# KiCad board AnalogFNN.kicad_pcb (continued)
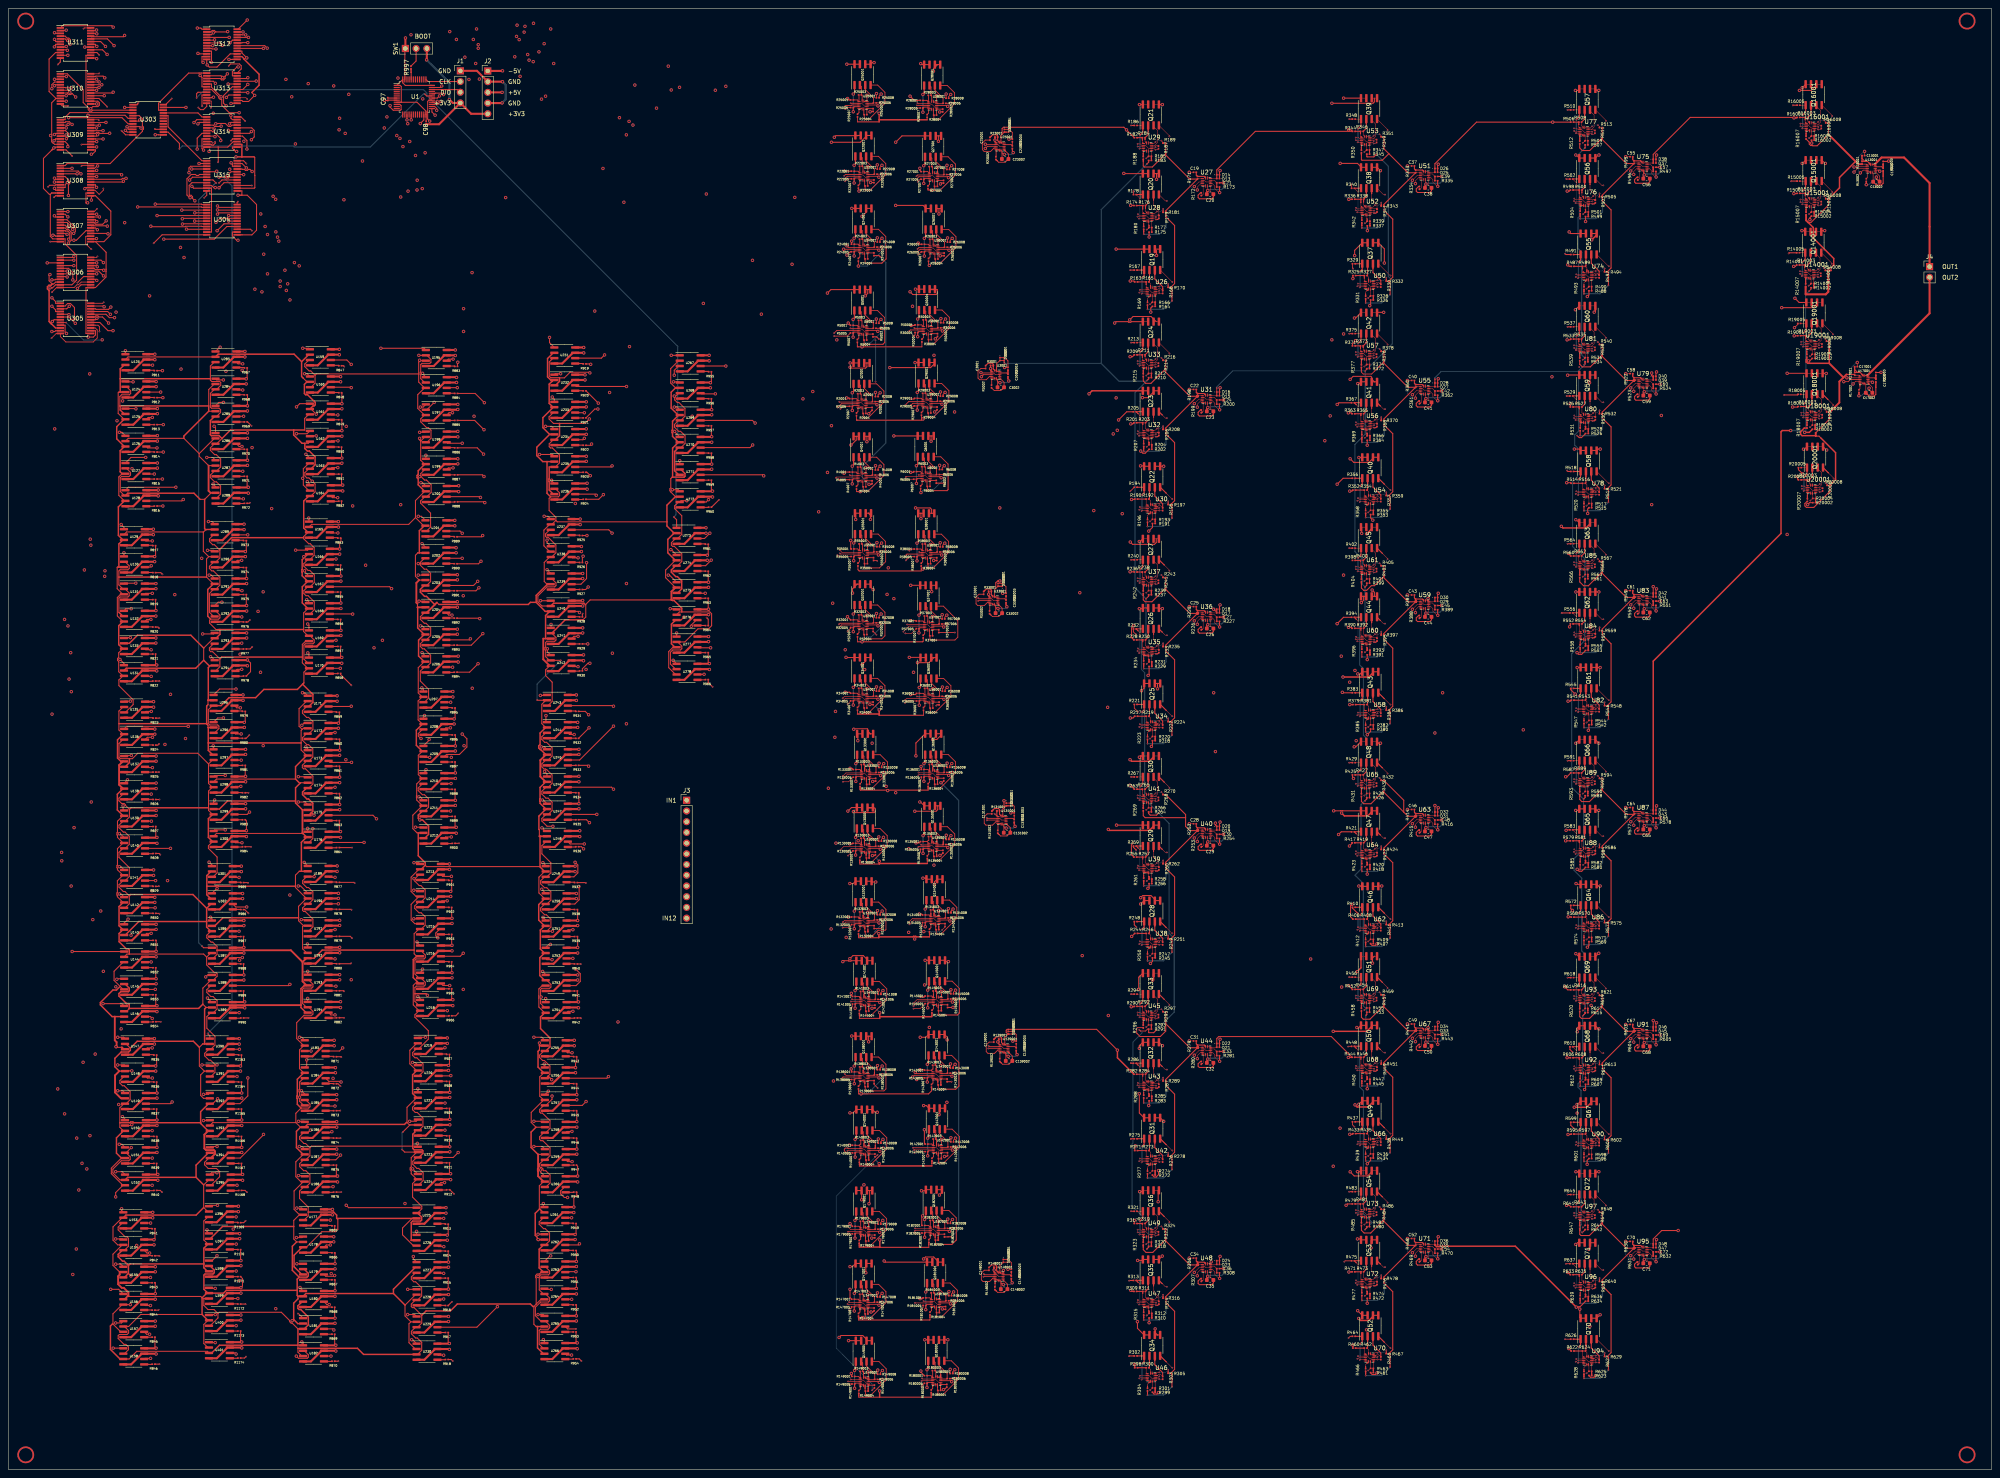
[diagram p0: board, top side]
## Routing (per net, layer and track width the routed paths; a pad name or vN(x,y) marks a point on that pad's centre or on a via; arc(x,y) is an arc through that point) (continued)
  Top w0.5: v1(79.03,239.87) 79.02,239.87 U163.8 ; U234.8 136.91,246.75 v1(136.95,246.8) ; U145.8 34.99,116.41 v1(35,116.4) ; U186.8 77.75,82.45 v1(77.8,82.5) ; v1(56.65,192) 56.61,191.96 U294.8 ; v1(105.62,178) 105.57,178.06 U208.8 ; U209.8 105.92,171.61 v1(105.92,171.6) ; v1(56.35,258.65) 56.3,258.7 U284.8 ; v1(103.7,62.1) 103.69,62.11 U225.8 ; v1(78.5,157.7) 78.5,157.71 U175.8 ; U133.8 34.95,197.21 v1(34.95,197.2) ; v1(136.1,212.5) 136.09,212.5 U239.8 ; v1(34.4,182.1) 34.4,182.1 U135.8 ; U132.8 34.91,203.66 v1(34.95,203.7) ; U190.8 78.14,136.71 v1(78.2,136.65) ; v1(106.6,192.9) 106.56,192.85 103.78,192.85 ; v1(56.45,211.3) 56.44,211.31 U291.8 ; 75.17,95.36 77.44,95.36 v1(77.5,95.3) ; U395.8 55.45,69.95 v1(55.5,70) ; v1(134,62.25) 134,62.25 U261.8 ; U252.8 134.85,123.75 v1(134.9,123.8) ; U197.8 106.5,252.61 v1(106.5,252.6) ; v1(34.7,135.7) 34.65,135.75 U142.8 ; 103.78,225.1 105.8,225.1 v1(105.8,225.1) ; v1(106.1,218.6) 106.05,218.66 103.78,218.66 ; v1(134.4,95.3) 134.34,95.36 132.07,95.36 ; v1(134.9,130.2) 134.9,130.21 U251.8 ; v1(166.68,251.33) 166.67,251.34 U269.8 ; v1(77.4,42.4) 77.36,42.36 74.78,42.36 ; U391.8 54.94,95.75 v1(55,95.7) ; v1(135.2,170.8) 135.19,170.81 U245.8 ; v1(55.6,183.7) 55.59,183.71 U295.8 ; U169.8 78.8,199 v1(78.8,199) ; 32.17,54.56 34.45,54.56 v1(34.5,54.5) ; v1(35,162.8) 34.95,162.75 U138.8 ; U217.8 105.12,117.82 v1(105.12,117.81) ; v1(134.3,55.75) 134.25,55.81 U262.8 ; v1(166.88,232.03) 166.83,231.99 U272.8 ; v1(106.5,239.7) 106.5,239.7 U199.8 ; U185.8 77.8,88.9 v1(77.8,88.9) ; v1(78.5,123.85) 78.45,123.81 U192.8 ; U128.8 35.45,232.25 v1(35.5,232.3) ; U139.8 34.99,156.31 v1(35,156.3) ; v1(106.2,259) 106.14,259.06 U196.8 ; U143.8 34.99,129.31 v1(35,129.3) ; U207.8 105.32,184.51 v1(105.33,184.5) ; U157.8 34.8,35.2 v1(34.8,35.2) ; U231.8 136.34,266.11 v1(136.35,266.1) ; U232.8 136.59,259.65 v1(136.65,259.6) ; v1(135.1,110.9) 135.06,110.85 U254.8 ; v1(35,169.2) 34.99,169.21 U137.8 ; U162.8 78.98,246.32 v1(79.03,246.37) ; U195.8 105.89,265.5 v1(105.9,265.5) ; v1(55.8,117.3) 55.8,117.31 U388.8 ; U247.8 135.19,157.91 v1(135.2,157.9) ; 74.78,61.7 76.8,61.7 v1(76.8,61.7) ; v1(56.15,217.7) 56.09,217.75 U290.8 ; U191.8 78.5,130.25 v1(78.5,130.25) ; U390.8 54.69,102.2 v1(54.7,102.2) ; v1(165.93,204.03) 165.88,203.99 U276.8 ; U283.8 56.05,265.15 v1(56.05,265.15) ; v1(106.12,152.31) 106.08,152.26 U212.8 ; v1(134.9,177.2) 134.84,177.25 U244.8 ; U228.8 104.25,42.75 v1(104.3,42.8) ; U257.8 134.69,88.9 v1(134.7,88.9) ; U268.8 166.32,257.79 v1(166.38,257.74) ; v1(166.07,264.24) 166.07,264.24 U267.8 ; U275.8 165.92,210.44 v1(165.93,210.44) ; U146.8 35.16,109.96 v1(35.2,110) ; v1(104.83,137.12) 104.77,137.17 U214.8 ; v1(55.8,123.8) 55.75,123.75 U387.8 ; U240.8 136.06,206.06 v1(136.1,206.1) ; U127.8 35.3,238.7 v1(35.3,238.7) ; v1(104.5,29.9) 104.45,29.86 101.67,29.86 ; U213.8 104.52,143.62 v1(104.53,143.62) ; v1(78.8,205.5) 78.75,205.46 U168.8 ; U224.8 104.75,70.11 v1(104.8,70.15) ; 131.97,49.36 134.59,49.36 v1(134.6,49.35) ; v1(35.15,190.8) 35.1,190.75 U134.8 ; v1(34.35,223) 34.34,223 U129.8 ; v1(105.12,130.72) 105.12,130.72 U215.8 ; U166.8 78.44,218.35 v1(78.5,218.3) ; U151.8 35.2,76.4 v1(35.2,76.4) ; v1(105.33,111.41) 105.28,111.37 U218.8 ; U125.8 35.3,251.61 v1(35.3,251.6) ; U152.8 35.35,69.95 v1(35.4,70) ; v1(165.93,197.53) 165.92,197.54 U277.8 ; U148.8 34.84,95.75 v1(34.9,95.7) ; U400.8 55.09,36.65 v1(55.1,36.65) ; v1(104.6,89.45) 104.59,89.45 U221.8 ; U397.8 54.75,56 v1(54.8,55.95) ; v1(135.5,225.4) 135.5,225.41 U237.8 ; U140.8 35.16,149.85 v1(35.2,149.9) ; v1(55.3,82.9) 55.25,82.86 52.67,82.86 ; v1(79,192.6) 78.95,192.56 U170.8 ; v1(78.7,151.3) 78.66,151.25 U176.8 ; v1(136.95,253.2) 136.94,253.2 U233.8 ; U144.8 34.95,122.85 v1(35,122.9) ; v1(78.72,259.17) 78.67,259.22 U160.8 ; 132.07,69.56 134.85,69.56 v1(134.9,69.6) ; v1(77.4,48.8) 77.39,48.81 74.78,48.81 ; v1(79.22,233.47) 79.18,233.42 U164.8 ; v1(105.12,124.31) 105.08,124.27 U216.8 ; v1(78.5,117.35) 78.5,117.35 U193.8 ; U296.8 55.84,177.25 v1(55.9,177.2) ; v1(34.6,102.2) 34.59,102.2 U147.8 ; U124.8 34.95,258.06 v1(35,258) ; v1(55.3,30.25) 55.25,30.2 U401.8 ; v1(77.2,101.8) 77.19,101.81 U183.8 ; v1(134.9,117.3) 134.9,117.31 U253.8 ; v1(134.8,30.05) 134.75,30 U266.8 ; U173.8 78.5,170.6 v1(78.5,170.6) ; v1(78.2,177) 78.14,177.06 U172.8 ; 74.78,29.45 77.56,29.45 v1(77.6,29.5) ; v1(106.5,246.2) 106.45,246.16 U198.8 ; U136.8 34.65,175.66 v1(34.7,175.6) ; v1(77.4,35.9) 77.39,35.9 74.78,35.9 ; U264.8 134.56,42.9 v1(134.6,42.95) ; U289.8 55.84,224.21 v1(55.85,224.2) ; v1(106.7,233.3) 106.66,233.25 U200.8 ; U156.8 34.76,41.65 v1(34.8,41.7) ; U220.8 104.25,95.9 v1(104.3,95.85) ; v1(34.2,61) 34.2,61 U153.8 ; v1(56.45,198.4) 56.44,198.41 U293.8 ; U227.8 104.3,49.2 v1(104.3,49.2) ; v1(134.6,36.45) 134.59,36.45 U265.8 ; U126.8 35.26,245.16 v1(35.3,245.2) ; U292.8 56.41,204.85 v1(56.45,204.9) ; v1(134.3,143.1) 134.29,143.1 U249.8 ; v1(34.95,210.1) 34.95,210.1 U131.8 ; v1(166.68,238.44) 166.67,238.44 U271.8 ; v1(77.1,55.2) 77.05,55.25 74.78,55.25 ; U243.8 134.59,183.71 v1(134.6,183.7) ; U274.8 165.57,216.89 v1(165.62,216.84) ; U399.8 55.06,43.11 v1(55.1,43.15) ; v1(106.4,205.8) 106.36,205.75 103.78,205.75 ; U141.8 34.4,142.21 v1(34.4,142.2) ; U238.8 135.75,218.96 v1(135.8,218.9) ; U302.8 55.44,136.66 v1(55.5,136.6) ; U392.8 55.3,89.31 v1(55.3,89.3) ; v1(136.3,193.2) 136.25,193.16 U242.8 ; v1(134.7,76) 134.69,76 U259.8 ; U130.8 34.59,216.56 v1(34.65,216.5) ; U396.8 54.5,62.45 v1(54.5,62.45) ; v1(104,102.35) 104,102.36 101.97,102.36 ; U255.8 134.09,101.81 v1(134.1,101.8) ; v1(166.12,191.13) 166.08,191.09 U278.8 ; v1(166.68,244.94) 166.63,244.89 U270.8 ; v1(104,55.6) 103.94,55.65 U226.8 ; v1(135.2,164.4) 135.16,164.35 U246.8 ; U241.8 136.09,199.6 v1(136.1,199.6) ; v1(104.3,36.3) 104.3,36.31 U229.8 ; v1(135.4,151.5) 135.35,151.46 U248.8 ; 75.17,69.56 77.95,69.56 v1(78,69.6) ; v1(78.8,211.9) 78.8,211.91 U167.8 ; v1(55.2,143.1) 55.19,143.1 U301.8 ; 101.97,76.56 104.59,76.56 v1(104.6,76.55) ; v1(104.6,83.05) 104.56,83 U222.8 ; v1(105.92,158.71) 105.92,158.71 U211.8 ; U187.8 77.8,76 v1(77.8,76) ; U288.8 56.81,232.91 v1(56.85,232.95) ; U297.8 56.19,170.81 v1(56.2,170.8) ; v1(55.3,76.4) 55.3,76.4 U394.8 ; v1(78.5,164.2) 78.45,164.16 U174.8 ; U165.8 78.19,224.81 v1(78.2,224.8) ; v1(77.9,143.15) 77.89,143.16 U189.8 ; U299.8 56.19,157.91 v1(56.2,157.9) ; v1(78.7,110.95) 78.66,110.91 U194.8 ; U161.8 79.02,252.77 v1(79.03,252.76) ; v1(35.2,89.3) 35.2,89.31 U149.8 ; v1(56.65,245.85) 56.61,245.81 U286.8 ; U210.8 105.88,165.16 v1(105.92,165.21) ; v1(134.6,136.6) 134.54,136.66 U250.8 ; v1(56.4,151.5) 56.36,151.46 U300.8 ; v1(34.8,48.1) 34.8,48.11 U155.8 ; U171.8 77.89,183.5 v1(77.9,183.5) ; 52.47,49.56 55.09,49.56 v1(55.1,49.55) ; U285.8 56.64,252.25 v1(56.65,252.25) ; U235.8 136.94,240.31 v1(136.95,240.3) ; v1(35.2,82.9) 35.16,82.86 32.58,82.86 ; v1(56,110.9) 55.95,110.85 U389.8 ; 103.78,212.21 106.39,212.21 v1(106.4,212.2) ; U298.8 56.16,164.35 v1(56.2,164.4) ; v1(106.4,199.3) 106.39,199.31 103.78,199.31 ; U158.8 34.95,28.75 v1(35,28.8) ; U159.8 78.42,265.67 v1(78.42,265.67) ; U258.8 134.66,82.45 v1(134.7,82.5) ; U236.8 137.1,233.86 v1(137.15,233.9) ; v1(117,326.6) 117,326.6 J2.3 ; U287.8 56.64,239.36 v1(56.65,239.35) ; U273.8 165.32,223.34 v1(165.32,223.34) ; U123.8 34.7,264.5 v1(34.7,264.5) ; v1(55.8,130.2) 55.8,130.21 U386.8
-5V: length 160.4
  Top w0.1: U61.10 323.5,213.41 v2(323.56,213.34) ; U39.10 v2(271.96,142.55) ; v2(376.2,283.28) 376.01,283.09 U74.10 ; v2(376.2,77.51) 376.01,77.31 U90.10 ; U72.10 v2(323.66,44.2) ; v2(429.11,266.63) 429.05,266.7 U19001.10 ; U20001.10 429.2,232.5 v2(429.26,232.43) ; v2(323.56,111.6) 323.5,111.67 U69.10 ; v2(375.31,162.94) 375.24,163.01 U89.10 ; U60.10 v2(323.66,196.81) ; v2(323.56,264.21) 323.5,264.28 U57.10 ; U49.10 271.8,56.15 v2(271.86,56.08) ; U45.10 271.8,107.65 v2(271.86,107.58) ; v2(271.86,262.08) 271.8,262.15 U33.10 ; U37.10 271.8,210.65 v2(271.86,210.58) ; U97.10 375.24,60.12 v2(375.31,60.05) ; v2(272.76,125.09) 272.57,124.9 U38.10 ; U70.10 324.27,26.55 v2(324.46,26.75) ; U53.10 323.5,315.15 v2(323.56,315.08) ; U80.10 v2(375.4,249.29) ; U93.10 375.24,111.56 v2(375.31,111.49) ; U41.10 271.8,159.15 v2(271.86,159.08) ; U34.10 272.57,176.4 v2(272.76,176.59) ; U76.10 v2(375.4,300.74) ; v2(323.56,162.47) 323.5,162.54 U65.10 ; U26.10 272.57,279.4 v2(272.76,279.6) ; U30.10 272.57,227.9 v2(272.76,228.09) ; v2(272.76,73.6) 272.57,73.4 U42.10 ; U54.10 324.27,230.03 v2(324.46,230.22) ; U32.10 v2(271.96,245.55) ; U86.10 376.01,128.76 v2(376.2,128.95) ; U16001.10 428.88,318.45 v2(428.95,318.39) ; U52.10 v2(323.66,298.55) ; U78.10 376.01,231.64 v2(376.2,231.84) ; v2(375.31,317.27) 375.24,317.34 U77.10 ; U96.10 v2(375.4,43.52) ; U50.10 324.27,280.9 v2(324.46,281.1) ; v2(375.31,265.83) 375.24,265.89 U81.10 ; v2(271.86,313.58) 271.8,313.65 U29.10 ; U68.10 v2(323.66,95.07) ; U73.10 323.5,60.8 v2(323.56,60.73) ; U88.10 v2(375.4,146.41) ; U18001.10 429.1,249.9 v2(429.16,249.83) ; v2(428.85,283.39) 428.78,283.45 U14001.10 ; U64.10 v2(323.66,145.94) ; v2(324.46,179.35) 324.27,179.16 U58.10 ; U92.10 v2(375.4,94.96) ; U85.10 375.24,214.45 v2(375.31,214.38) ; v2(376.2,26.06) 376.01,25.87 U94.10 ; v2(324.46,77.62) 324.27,77.42 U66.10 ; v2(272.76,22.1) 272.57,21.9 U46.10 ; U84.10 v2(375.4,197.85) ; U62.10 324.27,128.29 v2(324.46,128.49) ; U35.10 v2(271.96,194.05) ; U47.10 v2(271.96,39.55) ; U82.10 376.01,180.2 v2(376.2,180.4) ; U56.10 v2(323.66,247.68) ; U15001.10 428.88,300.45 v2(428.95,300.39) ; U28.10 v2(271.96,297.05) ; U43.10 v2(271.96,91.05)
  Top w0.2: U36001.10 221.5,182.88 v1(221.73,182.65) ; v1(206.33,92.87) 206.1,93.1 U138001.10 ; v1(206.33,38.97) 206.1,39.19 203.72,39.19 ; v1(206.53,75.47) 206.3,75.7 U140001.10 ; U27001.10 222.56,306.6 v1(222.79,306.37) ; U135001.10 222.41,147.72 v1(222.63,147.5) ; v1(222.83,164.6) 222.61,164.82 U136001.10 ; U37001.10 221.44,200.03 v1(221.66,199.8) ; v1(223.56,20.84) 223.33,21.07 U180001.10 ; v1(223.26,39.29) 223.04,39.52 U181001.10 ; v1(206.2,216.9) 205.97,217.12 U35001.10 ; v1(206.49,56.27) 206.27,56.5 203.88,56.5 ; v1(221.19,216.87) 220.97,217.1 U38001.10 ; v1(223.73,110.87) 223.5,111.1 U145001.10 ; v1(206.29,306.47) 206.06,306.7 U22001.10 ; U26001.10 222.7,289.38 v1(222.93,289.15) ; v1(206.09,200.07) 205.87,200.3 U32001.10 ; v1(206.33,129.62) 206.1,129.85 U132001.10 ; U134001.10 222.91,130.32 v1(223.13,130.1) ; v1(206.39,20.67) 206.17,20.89 203.78,20.89 ; v1(221.25,252.62) 221.03,252.85 U29001.10 ; v1(206.09,182.67) 205.87,182.9 U34001.10 ; U30001.10 221.13,270.25 v1(221.35,270.02) ; U2001.10 205.63,252.75 v1(205.85,252.52) ; U24001.10 206.06,289.4 v1(206.29,289.17) ; U25001.10 205.87,323.6 v1(206.09,323.37) ; U143001.10 223.4,93.5 v1(223.63,93.27) ; v1(221.05,235.22) 220.83,235.45 U6001.10 ; U130001.10 206.41,147.32 v1(206.63,147.1) ; U141001.10 206.3,111 v1(206.53,110.77) ; U28001.10 222.37,323.5 v1(222.59,323.27) ; U142001.10 223.5,76 v1(223.73,75.77) ; 220.38,56.69 222.77,56.69 v1(222.99,56.47) ; v1(206.7,164.57) 206.47,164.8 U133001.10 ; v1(206.05,269.92) 205.83,270.15 U5001.10 ; U4001.10 205.63,235.35 v1(205.85,235.12)
  Top w0.5: J2.1 117.07,331.68 v1(117.1,331.7)
GND: length 2651.5
  Top w0.1: 269.86,22.25 v2(268.13,22.25) ; 218.57,130.68 219.09,130.68 219.15,130.62 219.37,130.62 220.07,129.93 220.52,129.93 ; 203.88,56.1 203.43,56.1 202.73,56.8 202.5,56.8 202.46,56.85 201.93,56.85 ; 271.06,296.6 271.81,296.6 v2(271.96,296.45) ; 321.56,77.77 v2(319.83,77.77) ; 322.76,196.36 323.51,196.36 v2(323.66,196.21) ; 217.16,183.22 217.69,183.22 217.74,183.18 217.96,183.18 218.66,182.47 U36001.9 ; 201.29,253.1 201.81,253.1 201.86,253.05 202.09,253.05 202.79,252.35 U2001.9 ; 321.56,179.51 v2(319.83,179.51) ; v1(338.76,49.98) 338.58,49.98 337.59,50.96 337.59,51.55 337.04,52.1 U71.9 U71.10 335.52,52.5 335.12,52.9 U71.2 ; U92.9 374,94.56 373.9,94.66 373.7,94.66 373,95.36 371.38,95.36 v2(371.11,95.64) ; R241.1 272.31,209.98 v2(271.86,209.98) 271.79,210.05 271.76,210.05 271.56,210.25 270.48,210.25 270.38,210.35 270.16,210.35 269.46,211.05 268.58,211.05 268.26,211.38 v2(267.61,211.38) ; v2(267.61,56.88) 268.26,56.88 268.58,56.55 269.46,56.55 270.16,55.85 270.38,55.85 270.48,55.75 271.56,55.75 271.76,55.55 271.79,55.55 v2(271.86,55.48) 272.31,55.48 R322.1 ; 273.54,21.45 v2(272.76,21.45) 272.71,21.5 271.38,21.5 271.28,21.6 271.03,21.6 270.33,22.3 U46.2 ; 204.02,146.93 203.57,146.93 202.87,147.62 202.65,147.62 202.59,147.68 202.07,147.68 ; U38.2 270.33,125.3 271.03,124.6 271.28,124.6 271.38,124.5 272.71,124.5 v2(272.76,124.45) 273.54,124.45 ; 271.06,193.6 271.81,193.6 v2(271.96,193.45) ; v2(375.4,300.14) 375.25,300.29 374.5,300.29 ; U138001.9 203.27,92.7 202.57,93.4 202.34,93.4 202.29,93.45 201.77,93.45 ; R268.1 272.31,158.48 v2(271.86,158.48) 271.79,158.55 271.76,158.55 271.56,158.75 270.48,158.75 270.38,158.85 270.16,158.85 269.46,159.55 268.58,159.55 268.26,159.88 v2(267.61,159.88) ; U76.9 374,300.34 373.9,300.44 373.7,300.44 373,301.14 U76.2 371.38,301.14 v2(371.11,301.41) ; 322.76,298.1 323.51,298.1 v2(323.66,297.95) ; U50.2 322.03,281.3 322.73,280.6 322.98,280.6 323.08,280.5 U50.9 324.41,280.5 v2(324.46,280.45) 325.24,280.45 ; v2(371.05,60.84) 371.7,60.84 372.02,60.52 372.9,60.52 373.6,59.82 373.82,59.82 373.92,59.72 375,59.72 375.2,59.52 375.23,59.52 v2(375.3,59.45) 375.75,59.45 R646.1 ; R484.1 324.01,60.13 v2(323.56,60.13) 323.49,60.2 323.46,60.2 323.26,60.4 322.18,60.4 322.08,60.5 321.86,60.5 321.16,61.2 320.28,61.2 319.96,61.52 v2(319.31,61.52) ; v2(424.86,267.43) 425.51,267.43 425.83,267.1 U19001.2 426.71,267.1 427.41,266.4 427.63,266.4 427.73,266.3 U19001.9 428.81,266.3 429.01,266.1 429.04,266.1 v2(429.11,266.03) 429.56,266.03 R19006.1 ; U37001.9 218.6,199.62 217.9,200.32 217.67,200.32 217.62,200.38 217.1,200.38 ; v2(424.69,301.18) 425.34,301.18 425.67,300.85 U15001.2 426.54,300.85 427.24,300.15 427.47,300.15 427.57,300.05 U15001.9 428.64,300.05 428.85,299.85 428.87,299.85 v2(428.94,299.79) 429.39,299.79 429.64,300.03 ; 216.63,217.45 217.15,217.45 217.2,217.4 217.43,217.4 218.13,216.7 U38001.9 ; U80.9 374,248.89 373.9,248.99 373.7,248.99 373,249.69 371.38,249.69 v2(371.11,249.97) ; 376.98,25.42 v2(376.2,25.42) 376.15,25.47 374.82,25.47 374.72,25.57 374.47,25.57 373.77,26.27 U94.2 ; v1(338.76,253.45) 338.58,253.45 337.59,254.44 337.59,255.03 337.04,255.58 U55.9 U55.10 335.52,255.98 335.12,256.38 U55.2 ; U72.9 322.26,43.8 322.16,43.9 321.96,43.9 321.26,44.6 319.64,44.6 v2(319.37,44.88) ; R214.1 272.31,261.48 v2(271.86,261.48) 271.79,261.55 271.76,261.55 271.56,261.75 U33.9 270.48,261.75 270.38,261.85 270.16,261.85 269.46,262.55 U33.2 268.58,262.55 268.26,262.88 v2(267.61,262.88) ; v2(323.66,145.34) 323.51,145.49 322.76,145.49 ; 216.49,235.8 217.01,235.8 217.06,235.75 217.29,235.75 217.99,235.05 U6001.9 ; 220.38,56.3 219.93,56.3 219.23,57 219,57 218.96,57.05 218.43,57.05 ; v2(371.11,44.19) 371.38,43.92 373,43.92 373.7,43.22 373.9,43.22 374,43.12 U96.9 ; v2(375.4,42.92) 375.25,43.07 374.5,43.07 ; R565.1 375.75,213.78 v2(375.3,213.78) 375.23,213.85 375.2,213.85 375,214.05 373.92,214.05 373.82,214.15 373.6,214.15 372.9,214.85 372.02,214.85 371.7,215.18 v2(371.05,215.18) ; U58.2 322.03,179.56 322.73,178.86 322.98,178.86 323.08,178.76 324.41,178.76 v2(324.46,178.71) 325.24,178.71 ; 201.53,183.25 202.05,183.25 202.1,183.2 202.33,183.2 203.03,182.5 U34001.9 ; 218.03,323.85 218.55,323.85 218.6,323.8 218.83,323.8 219.53,323.1 U28001.9 ; U56.9 322.26,247.28 322.16,247.38 321.96,247.38 321.26,248.08 319.64,248.08 v2(319.37,248.36) ; v1(338.76,202.59) 338.58,202.59 337.59,203.57 337.59,204.16 337.04,204.71 U59.9 U59.10 335.52,205.11 335.12,205.51 U59.2 ; U42.2 270.33,73.8 271.03,73.1 271.28,73.1 271.38,73 272.71,73 v2(272.76,72.95) 273.54,72.95 ; v2(371.11,147.08) 371.38,146.81 373,146.81 373.7,146.11 373.9,146.11 374,146.01 U88.9 ; R376.1 324.01,263.61 v2(323.56,263.61) 323.49,263.68 323.46,263.68 323.26,263.88 U57.9 322.18,263.88 322.08,263.98 321.86,263.98 321.16,264.68 U57.2 320.28,264.68 319.96,265.01 v2(319.31,265.01) ; 320.28,162.94 321.16,162.94 321.86,162.24 322.08,162.24 322.18,162.14 323.26,162.14 323.46,161.94 323.49,161.94 v2(323.56,161.87) 324.01,161.87 R430.1 ; 376.98,128.31 v2(376.2,128.31) 376.15,128.36 374.82,128.36 374.72,128.46 374.47,128.46 373.77,129.16 U86.2 ; v1(338.76,304.33) 338.58,304.33 337.59,305.31 337.59,305.89 337.04,306.45 U51.9 U51.10 335.52,306.85 335.12,307.25 U51.2 ; U60.9 322.26,196.41 322.16,196.51 321.96,196.51 321.26,197.21 319.64,197.21 v2(319.37,197.49) ; 374.5,145.96 375.25,145.96 v2(375.4,145.81) ; 321.56,128.64 v2(319.83,128.64) ; v2(267.67,91.73) 267.94,91.45 269.56,91.45 270.26,90.75 270.46,90.75 270.56,90.65 U43.9 ; v2(319.37,95.75) 319.64,95.47 321.26,95.47 321.96,94.77 322.16,94.77 322.26,94.67 U68.9 ; 201.77,130.2 202.29,130.2 202.34,130.15 202.57,130.15 203.27,129.45 U132001.9 ; v2(375.4,197.25) 375.25,197.4 374.5,197.4 ; R20006.1 429.71,231.83 v2(429.25,231.83) 429.19,231.9 429.16,231.9 428.96,232.1 427.88,232.1 427.78,232.2 427.56,232.2 426.86,232.9 425.98,232.9 425.66,233.22 v2(425.01,233.22) ; 321.56,281.25 v2(319.83,281.25) ; v2(267.67,246.22) 267.94,245.95 269.56,245.95 270.26,245.25 270.46,245.25 270.56,245.15 U32.9 ; U141001.9 203.47,110.6 202.77,111.3 202.54,111.3 202.49,111.35 201.97,111.35 ; v1(338.76,100.85) 338.58,100.85 337.59,101.83 337.59,102.42 337.04,102.97 U67.9 U67.10 335.52,103.37 335.12,103.77 U67.2 ; 271.06,90.6 271.81,90.6 v2(271.96,90.45) ; U29001.9 218.19,252.45 217.49,253.15 217.26,253.15 217.21,253.2 216.69,253.2 ; U143001.9 220.57,93.1 219.87,93.8 219.64,93.8 219.59,93.85 219.07,93.85 ; v1(287.06,96.82) 286.88,96.82 285.89,97.81 285.89,98.39 285.34,98.95 U44.9 U44.10 283.82,99.35 283.42,99.75 U44.2 ; U82.2 373.77,180.6 374.47,179.9 374.72,179.9 374.82,179.8 376.15,179.8 v2(376.2,179.75) 376.98,179.75 ; 201.77,39.55 202.29,39.55 202.34,39.5 202.57,39.5 203.27,38.8 203.72,38.8 ; U83.2 386.86,206.55 387.26,206.15 U83.10 U83.9 388.78,205.75 389.34,205.19 389.34,204.61 390.32,203.62 v1(390.5,203.62) ; 325.24,127.84 v2(324.46,127.84) 324.41,127.89 323.08,127.89 322.98,127.99 322.73,127.99 322.03,128.69 U62.2 ; v2(319.31,315.88) 319.96,315.88 320.28,315.55 U53.2 321.16,315.55 321.86,314.85 322.08,314.85 322.18,314.75 U53.9 323.26,314.75 323.46,314.55 323.49,314.55 v2(323.56,314.48) 324.01,314.48 R349.1 ; 373.3,180.55 v2(371.57,180.55) ; 218.7,39.87 219.22,39.87 219.28,39.82 219.5,39.82 220.2,39.12 U181001.9 ; v2(271.96,141.95) 271.81,142.1 271.06,142.1 ; v2(319.37,299.23) 319.64,298.95 U52.2 321.26,298.95 321.96,298.25 322.16,298.25 322.26,298.15 U52.9 ; 201.63,217.47 202.16,217.47 202.21,217.43 202.43,217.43 203.13,216.72 U35001.9 ; 325.24,229.58 v2(324.46,229.58) 324.41,229.63 323.08,229.63 322.98,229.73 322.73,229.73 322.03,230.43 U54.2 ; v2(424.59,284.18) 425.24,284.18 425.57,283.85 U14001.2 426.44,283.85 427.14,283.15 427.37,283.15 427.47,283.05 U14001.9 428.55,283.05 428.75,282.85 428.77,282.85 v2(428.84,282.79) 429.29,282.79 429.54,283.03 ; 373.3,283.44 v2(371.57,283.44) ; R619.1 375.75,110.9 375.3,110.9 375.23,110.96 375.2,110.96 375,111.16 373.92,111.16 373.82,111.26 373.6,111.26 372.9,111.96 372.02,111.96 371.7,112.29 v2(371.05,112.29) ; v2(319.31,214.13) 319.96,214.13 320.28,213.81 321.16,213.81 321.86,213.11 322.08,213.11 322.18,213.01 323.26,213.01 323.46,212.81 323.49,212.81 v2(323.56,212.74) 324.01,212.74 R403.1 ; 322.76,247.23 323.51,247.23 v2(323.66,247.08) ; U48.2 283.42,48.25 283.82,47.85 U48.10 U48.9 285.34,47.45 285.89,46.89 285.89,46.31 286.88,45.32 v1(287.06,45.32) ; 203.78,20.5 203.33,20.5 202.63,21.19 202.41,21.19 202.35,21.25 201.83,21.25 ; v2(375.4,248.69) 375.25,248.84 374.5,248.84 ; v2(267.67,297.73) 267.94,297.45 U28.2 269.56,297.45 270.26,296.75 270.46,296.75 270.56,296.65 U28.9 ; U66.2 322.03,77.82 322.73,77.12 322.98,77.12 323.08,77.02 324.41,77.02 v2(324.46,76.97) 325.24,76.97 ; U32001.9 203.03,199.9 202.33,200.6 202.1,200.6 202.05,200.65 201.53,200.65 ; v2(371.05,163.73) 371.7,163.73 372.02,163.41 372.9,163.41 373.6,162.71 373.82,162.71 373.92,162.61 375,162.61 375.2,162.41 375.23,162.41 v2(375.3,162.34) 375.75,162.34 R592.1 ; v2(371.05,318.06) 371.7,318.06 372.02,317.74 U77.2 372.9,317.74 373.6,317.04 373.82,317.04 373.92,316.94 U77.9 375,316.94 375.2,316.74 375.23,316.74 v2(375.3,316.67) 375.75,316.67 R511.1 ; v2(319.37,146.62) 319.64,146.34 321.26,146.34 321.96,145.64 322.16,145.64 322.26,145.54 U64.9 ; R295.1 272.31,106.98 v2(271.86,106.98) 271.79,107.05 271.76,107.05 271.56,107.25 270.48,107.25 270.38,107.35 270.16,107.35 269.46,108.05 268.58,108.05 268.26,108.38 v2(267.61,108.38) ; 201.73,307.05 202.25,307.05 202.3,307 202.53,307 203.23,306.3 U22001.9 ; v2(371.05,266.62) 371.7,266.62 372.02,266.29 U81.2 372.9,266.29 373.6,265.59 373.82,265.59 373.92,265.49 U81.9 375,265.49 375.2,265.29 375.23,265.29 v2(375.3,265.23) 375.75,265.23 R538.1 ; 202.14,165.15 202.66,165.15 202.71,165.1 202.94,165.1 203.64,164.4 U133001.9 ; 271.06,245.1 271.81,245.1 v2(271.96,244.95) ; 376.98,76.86 v2(376.2,76.86) 376.15,76.91 374.82,76.91 374.72,77.01 374.47,77.01 373.77,77.71 U90.2 ; 269.86,279.75 v2(268.13,279.75) ; U26001.9 219.86,288.98 219.16,289.68 218.94,289.68 218.89,289.73 218.36,289.73 ; 269.86,228.25 v2(268.13,228.25) ; U27.2 283.42,305.75 283.82,305.35 U27.10 U27.9 285.34,304.95 285.89,304.39 285.89,303.81 286.88,302.83 v1(287.06,302.83) ; v1(390.5,152.18) 390.32,152.18 389.34,153.17 389.34,153.75 388.78,154.31 U87.9 U87.10 387.26,154.71 386.86,155.11 U87.2 ; 219.17,111.45 219.69,111.45 219.74,111.4 219.97,111.4 220.67,110.7 U145001.9 ; U63.2 335.12,154.64 335.52,154.24 U63.10 U63.9 337.04,153.84 337.59,153.28 337.59,152.7 338.58,151.72 v1(338.76,151.72) ; U24001.9 203.23,289 202.53,289.7 202.3,289.7 202.25,289.75 201.73,289.75 ; 429.64,318.03 429.39,317.79 v2(428.94,317.79) 428.87,317.85 428.85,317.85 428.64,318.05 U16001.9 427.57,318.05 427.47,318.15 427.24,318.15 426.54,318.85 U16001.2 425.67,318.85 425.34,319.18 v2(424.69,319.18) ; v1(287.06,251.32) 286.88,251.32 285.89,252.31 285.89,252.89 285.34,253.45 U31.9 U31.10 283.82,253.85 283.42,254.25 U31.2 ; 374.5,94.51 375.25,94.51 v2(375.4,94.36) ; 269.86,73.75 v2(268.13,73.75) ; 219.17,76.35 219.69,76.35 219.74,76.3 219.97,76.3 220.67,75.6 U142001.9 ; U70.2 322.03,26.95 322.73,26.25 322.98,26.25 323.08,26.15 324.41,26.15 v2(324.46,26.1) 325.24,26.1 ; U26.2 270.33,279.8 271.03,279.1 271.28,279.1 271.38,279 U26.9 272.71,279 v2(272.76,278.95) 273.54,278.95 ; v1(390.5,100.74) 390.32,100.74 389.34,101.72 389.34,102.31 388.78,102.86 U91.9 U91.10 387.26,103.26 386.86,103.66 U91.2 ; U140001.9 203.47,75.3 202.77,76 202.54,76 202.49,76.05 201.97,76.05 ; U4001.9 202.79,234.95 202.09,235.65 201.86,235.65 201.81,235.7 201.29,235.7 ; R457.1 324.01,111 v2(323.56,111) 323.49,111.07 323.46,111.07 323.26,111.27 322.18,111.27 322.08,111.37 321.86,111.37 321.16,112.07 320.28,112.07 319.96,112.4 v2(319.31,112.4) ; U5001.9 202.99,269.75 202.29,270.45 202.06,270.45 202.01,270.5 201.49,270.5 ; U30.2 270.33,228.3 271.03,227.6 271.28,227.6 271.38,227.5 272.71,227.5 v2(272.76,227.45) 273.54,227.45 ; 373.3,129.11 v2(371.57,129.11) ; v2(267.67,143.22) 267.94,142.95 269.56,142.95 270.26,142.25 270.46,142.25 270.56,142.15 U39.9 ; R18006.1 429.61,249.23 v2(429.15,249.23) 429.09,249.3 429.06,249.3 428.86,249.5 427.78,249.5 427.68,249.6 427.46,249.6 426.76,250.3 425.88,250.3 425.56,250.62 v2(424.91,250.62) ; 321.56,230.38 v2(319.83,230.38) ; U78.2 373.77,232.04 374.47,231.34 374.72,231.34 374.82,231.24 376.15,231.24 v2(376.2,231.19) 376.98,231.19 ; v1(287.06,148.32) 286.88,148.32 285.89,149.31 285.89,149.9 285.34,150.45 U40.9 U40.10 283.82,150.85 283.42,151.25 U40.2 ; v1(287.06,199.82) 286.88,199.82 285.89,200.81 285.89,201.4 285.34,201.95 U36.9 U36.10 283.82,202.35 283.42,202.75 U36.2 ; 273.54,175.95 v2(272.76,175.95) 272.71,176 271.38,176 271.28,176.1 271.03,176.1 270.33,176.8 U34.2 ; 220.22,164.43 219.77,164.43 219.07,165.12 218.84,165.12 218.79,165.18 218.27,165.18 ; 271.06,39.1 271.81,39.1 v2(271.96,38.95) ; 321.56,26.9 v2(319.83,26.9) ; U79.2 386.86,257.99 387.26,257.59 U79.10 U79.9 388.78,257.19 389.34,256.64 389.34,256.06 390.32,255.07 v1(390.5,255.07) ; v2(323.66,94.47) 323.51,94.62 322.76,94.62 ; v2(323.66,43.6) 323.51,43.75 322.76,43.75 ; 219,21.42 219.52,21.42 219.57,21.37 219.8,21.37 220.5,20.67 U180001.9 ; 269.86,176.75 v2(268.13,176.75) ; U27001.9 219.73,306.2 219.03,306.9 218.8,306.9 218.75,306.95 218.23,306.95 ; 201.53,323.95 202.05,323.95 202.1,323.9 202.33,323.9 203.03,323.2 U25001.9 ; 373.3,77.66 v2(371.57,77.66) ; U75.2 386.86,309.44 387.26,309.04 U75.10 U75.9 388.78,308.64 389.34,308.08 389.34,307.5 390.32,306.51 v1(390.5,306.51) ; 218.07,148.07 218.59,148.07 218.65,148.03 218.87,148.03 219.57,147.32 220.02,147.32 ; 216.79,270.6 217.31,270.6 217.36,270.55 217.59,270.55 218.29,269.85 U30001.9 ; 373.3,231.99 v2(371.57,231.99) ; v2(267.67,40.23) 267.94,39.95 269.56,39.95 270.26,39.25 270.46,39.25 270.56,39.15 U47.9 ; v2(267.67,194.72) 267.94,194.45 269.56,194.45 270.26,193.75 270.46,193.75 270.56,193.65 U35.9 ; U84.9 374,197.45 373.9,197.55 373.7,197.55 373,198.25 371.38,198.25 v2(371.11,198.53) ; v2(267.61,314.38) 268.26,314.38 268.58,314.05 U29.2 269.46,314.05 270.16,313.35 270.38,313.35 270.48,313.25 U29.9 271.56,313.25 271.76,313.05 271.79,313.05 v2(271.86,312.98) 272.31,312.98 R187.1 ; 373.3,26.22 v2(371.57,26.22) ; v1(390.5,49.29) 390.32,49.29 389.34,50.28 389.34,50.86 388.78,51.42 U95.9 U95.10 387.26,51.82 386.86,52.22 U95.2 ; 376.98,282.64 v2(376.2,282.64) 376.15,282.69 U74.9 374.82,282.69 374.72,282.79 374.47,282.79 373.77,283.49 U74.2 ; 269.86,125.25 v2(268.13,125.25)
  Top w0.13: 234.94,259.65 233.89,259.65 233.49,260.05 U3001.2 ; 234.52,154.43 234.97,154.43 235.37,154.03 U131001.10 ; U33001.10 233.43,206.1 233.03,206.5 U33001.2 ; U139001.10 235.84,99.9 235.44,100.3 U139001.2 ; 233.83,46.19 234.28,46.19 234.68,45.8 235.73,45.8 ; U23001.2 234.53,314.2 234.93,313.8 U23001.10